# Altium PCB Mainboard_V1.0.PcbDoc (part 1 of 4) (continued)
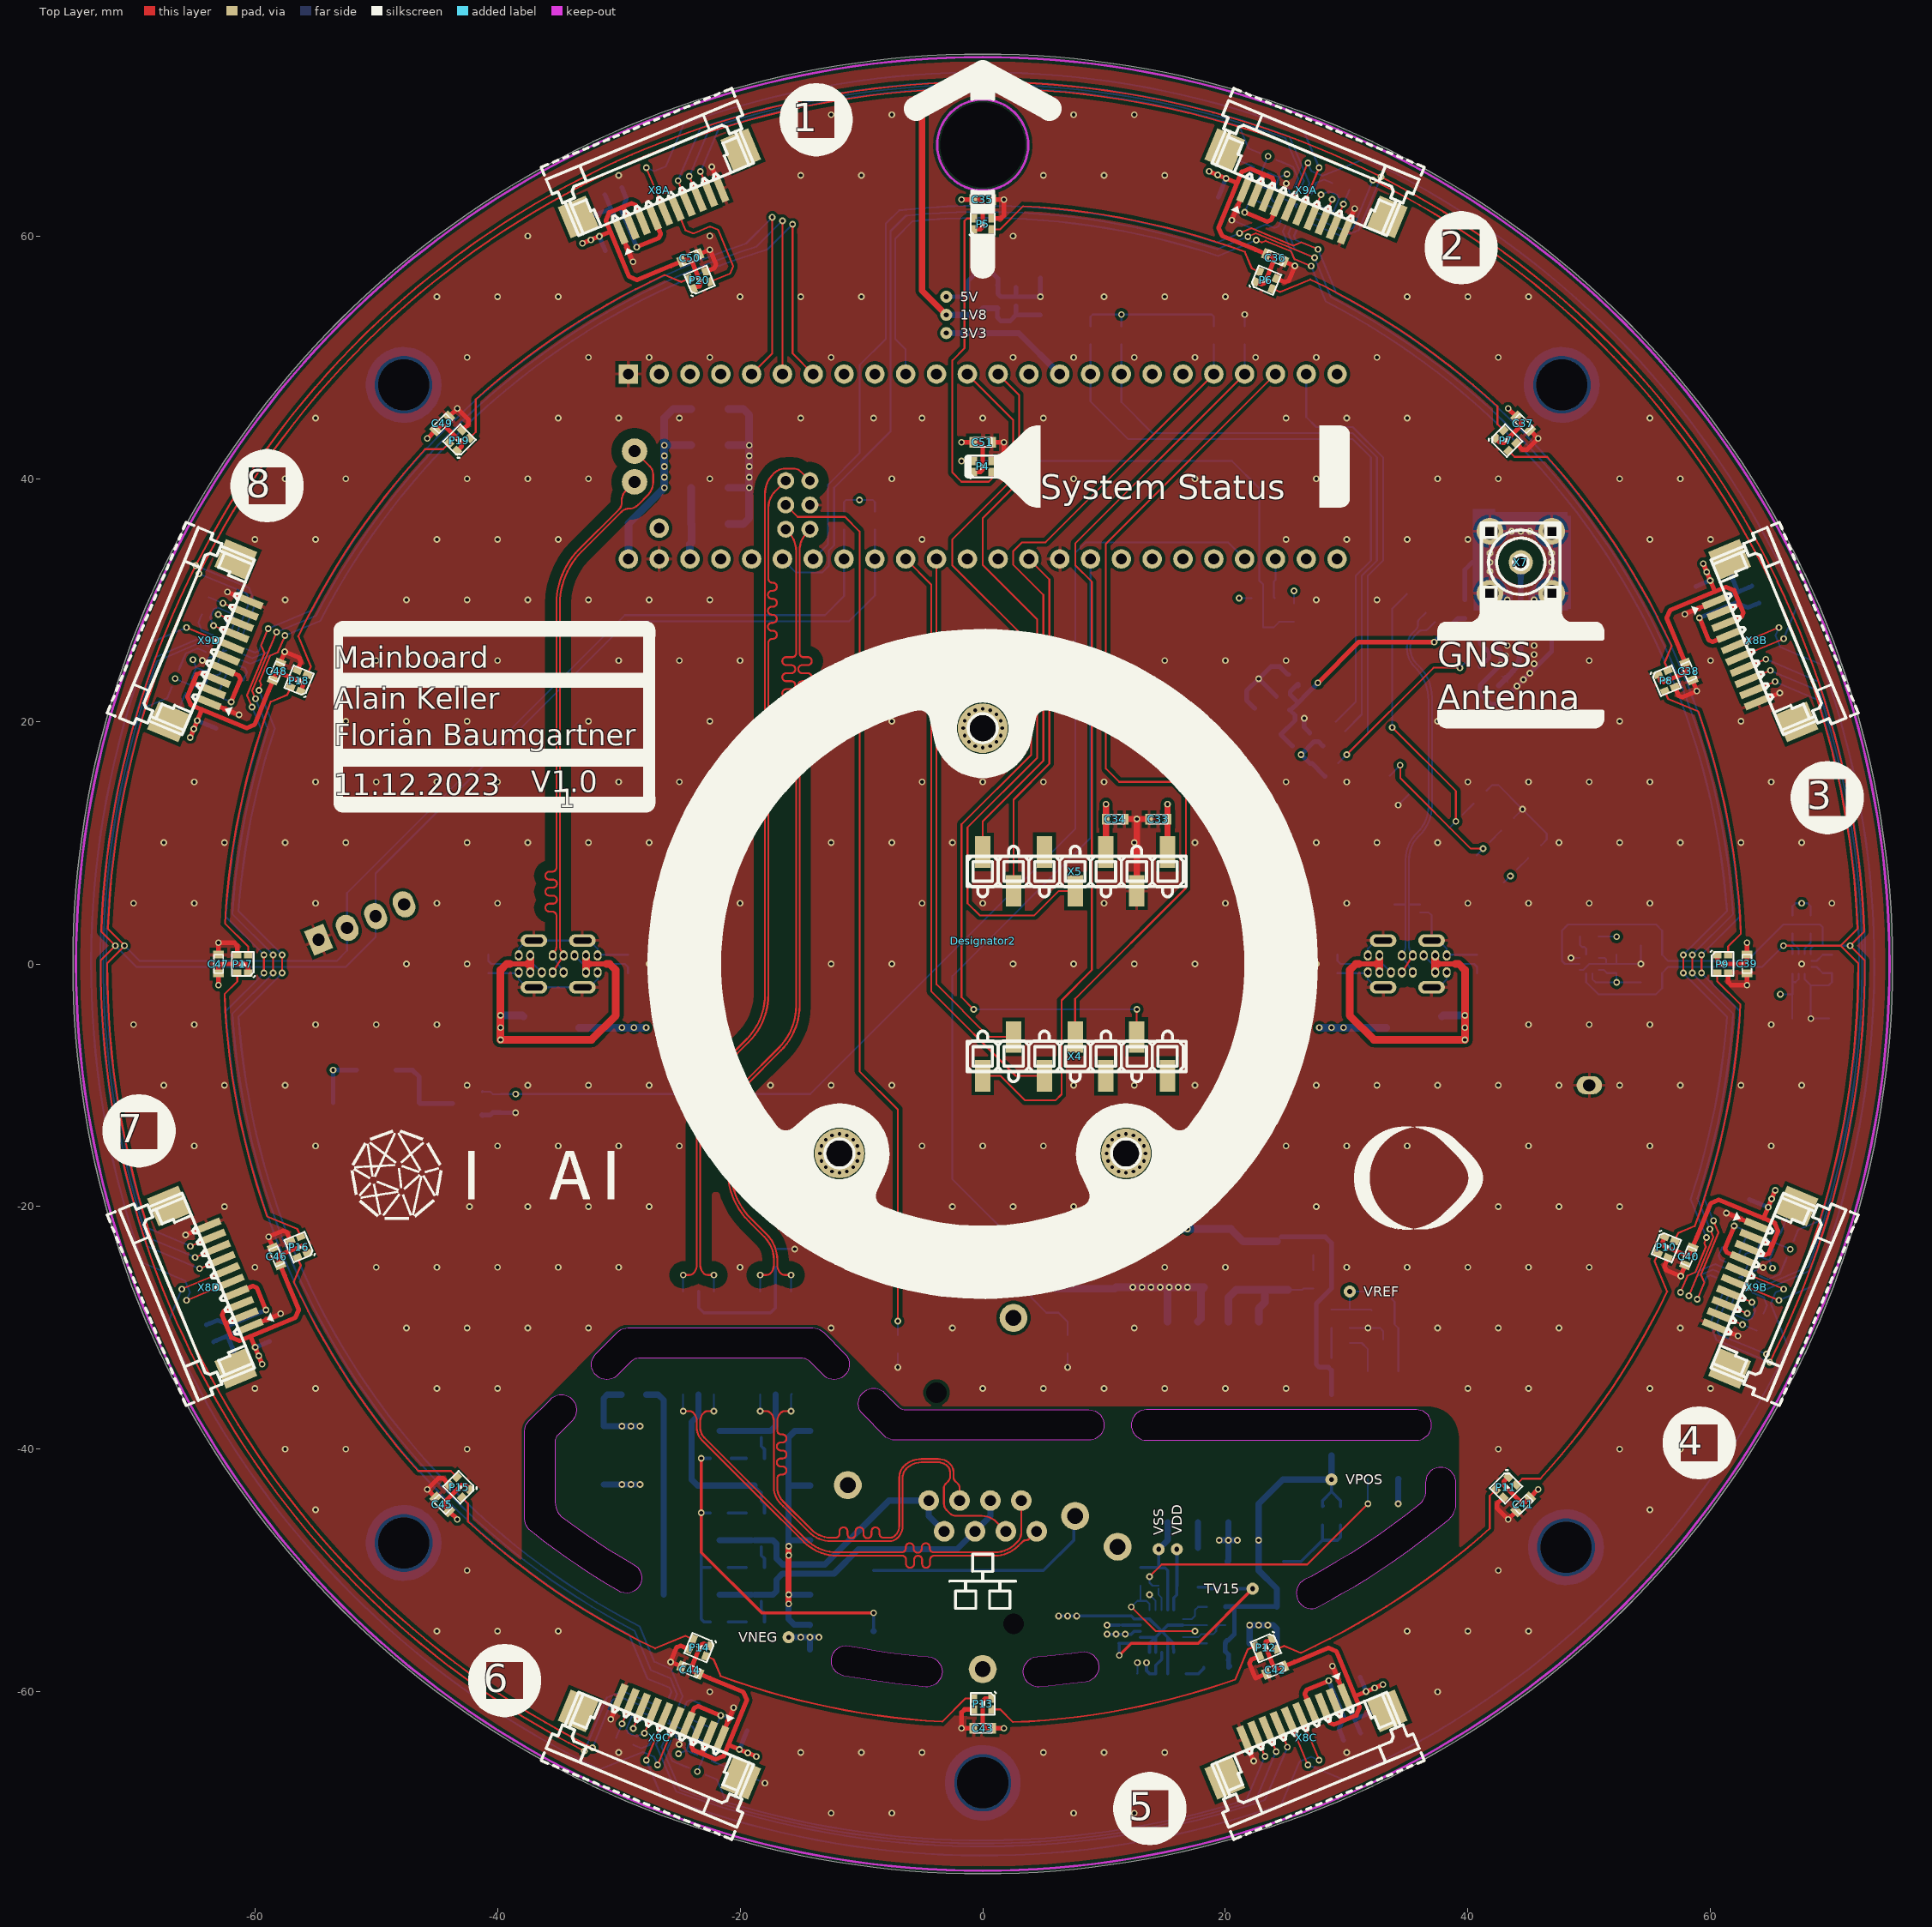
[diagram p0: Top Layer view]
## Components (designator, comment, footprint, x,y, rotation, side; value= is the part's Value field where it differs from the comment) (continued)
X9C "AFA07-S10FCC-00" "SMD Connector (AFA07-S10FCC-00)" -28.128,-67.903 r337.5 top locked (schematic designator X9)
X9D "AFA07-S10FCC-00" "SMD Connector (AFA07-S10FCC-00)" -67.905,28.127 r247.5 top locked (schematic designator X9)

## Footprints (in the part's own frame and the unit in brackets; to place one, negate y for a bottom-side part, rotate by r counter-clockwise, add the part's x,y. Pads: shape width x height; smd on the part's side, far side on the other; paste and mask are expansions set on the pad)
"MEC Display Module (Seeed Studio 105481)" [mm]
  round 4.1 hole 2.3: NC(-11.811,-15.621) NC(0,19.431) NC(11.811,-15.621)
  silkscreen extent -27.5,-27.5 27.5,27.5, body extent -27.49,-27.5 27.49,27.5, height 15.7
"SMD Buzzer (MLT-8530)" [mm] "SMD_LED_RED"
  rect 2.3x2.3 smd: 1(-3.55,3.55) 2(-3.55,-3.55) NC(3.55,-3.55) NC(3.55,3.55)
  silkscreen extent -5,-4.25 4.25,5, body extent -4.25,-4.25 4.25,4.25, height 3
"SMD Connector (AFA07-S10FCC-00)" [mm] "SMD_LED_RED"
  rect 0.6x2.2 smd: 1(4.5,6.25) 2(3.5,6.25) 3(2.5,6.25) 4(1.5,6.25) 5(0.5,6.25) 6(-0.5,6.25) 7(-1.5,6.25) 8(-2.5,6.25) 9(-3.5,6.25) 10(-4.5,6.25)
  rect 2.5x2.8 smd: NC(-7.25,3.85) NC(7.25,3.85)
  silkscreen extent -8.5,-1.1 8.5,8.25, body extent -8.5,0 8.5,6.75, height 2.57
"SMD Diode DO-214-AC" [mm] "SM LED; 2 Flat Leads"
  rect 2x1.8 smd: A(2.3,0) K(-2.3,0)
  silkscreen extent -2.3,-1.36 2.3,1.27, body extent -2.8,-1.47 2.8,1.48, height 2.7
"SMD Diode PowerDI-5" [mm] "SM LED; 2 Flat Leads"
  rect 1.4x1.39 smd: A(-2.862,-0.92) A(-2.862,0.92)
  rect 4.86x3.36 smd: K(1.12,0)
  silkscreen extent -2.65,-2.03 2.7,2.02, body extent -3.27,-2.02 3.33,2.03, height 1.17
"SMD Diode SOD-123" [mm] "SM LED; 2 Flat Leads"
  rect 1x1.2 smd: A(1.62,0) K(-1.62,0)
  silkscreen extent -1.4,-0.9 1.4,0.88, body extent -1.93,-0.85 1.92,0.85, height 1.42
"SMD Elko 6.3x7.7" [mm]
  rect 3.2x1.2 smd: M(2.4,0) P(-2.4,0)
  silkscreen extent -3.7,-3.5 3.3,3.3, body extent -3.5,-3.3 3.5,3.3, height 7.7
"SMD IC DIP-4" [mm] "SOIC, 20-Leads, Body 12.8x7.5mm, Pitch 1.27mm, IPC Low Density"
  oval 2.8x1.6 smd: 1(-4.445,1.27) 2(-4.445,-1.27) 3(4.445,-1.27) 4(4.445,1.27)
  silkscreen extent -3.3,-2.29 3.3,2.29, body extent -5,-2.29 5,2.29, height 3.85
"SMD IC LGA-10" [mm] "QFN, 48-Leads, Body 7x7mm, Pitch 0.5mm, IPC Medium Density"
  rect 0.25x0.35 smd: 1(0.25,0.8) 2(-0.25,0.8) 6(-0.25,-0.8) 7(0.25,-0.8)
  rect 0.35x0.25 smd: 3(-0.8,0.5) 4(-0.8,0) 5(-0.8,-0.5) 8(0.8,-0.5) 9(0.8,0) 10(0.8,0.5)
  silkscreen extent -1,-1 1.32,1.32, body extent -1,-1 1,1, height 0.75
"SMD IC LGA-12" [mm] "QFN, 48-Leads, Body 7x7mm, Pitch 0.5mm, IPC Medium Density"
  rect 0.38x0.25 smd: 1(-0.81,0.75) 2(-0.81,0.25) 3(-0.81,-0.25) 4(-0.81,-0.75) 7(0.81,-0.75) 8(0.81,-0.25) 9(0.81,0.25) 10(0.81,0.75)
  rect 0.25x0.38 smd: 5(-0.25,-0.81) 6(0.25,-0.81) 11(0.25,0.81) 12(-0.25,0.81)
  silkscreen extent -1.32,-1 1,1.32, body extent -1,-1 1,1, height 0.96
"SMD IC QFN-16" [mm] "QFN, 48-Leads, Body 7x7mm, Pitch 0.5mm, IPC Medium Density"
  oval 0.75x0.25 smd: 1(-1.5,0.75) 2(-1.5,0.25) 3(-1.5,-0.25) 4(-1.5,-0.75) 9(1.5,-0.75) 10(1.5,-0.25) 11(1.5,0.25) 12(1.5,0.75)
  oval 0.25x0.75 smd: 5(-0.75,-1.5) 6(-0.25,-1.5) 7(0.25,-1.5) 8(0.75,-1.5) 13(0.75,1.5) 14(0.25,1.5) 15(-0.25,1.5) 16(-0.75,1.5)
  rect 1.65x1.65 smd: PAD(0,0)
  silkscreen extent -1.72,-1.5 1.5,1.72, body extent -1.52,-1.52 1.52,1.52, height 0.9
"SMD IC QFN-20" [mm] "QFN, 48-Leads, Body 7x7mm, Pitch 0.5mm, IPC Medium Density"
  oval 0.75x0.25 smd: 1(-1.75,1) 2(-1.75,0.5) 3(-1.75,0) 4(-1.75,-0.5) 5(-1.75,-1) 11(1.75,-1) 12(1.75,-0.5) 13(1.75,0) 14(1.75,0.5) 15(1.75,1)
  oval 0.25x0.75 smd: 6(-1,-1.75) 7(-0.5,-1.75) 8(0,-1.75) 9(0.5,-1.75) 10(1,-1.75) 16(1,1.75) 17(0.5,1.75) 18(0,1.75) 19(-0.5,1.75) 20(-1,1.75)
  rect 2.45x2.45 smd: PAD(0,0)
  silkscreen extent -2.22,-2 2,2.22, body extent -2.01,-2.01 2.01,2.01, height 0.78
"SMD IC SOT-23-3" [mm]
  rect 1x0.7 smd: 1(-1.2,0.95) 2(-1.2,-0.95) 3(1.2,0)
  silkscreen extent -0.8,-1.5 0.8,1.5, body extent -1.3,-1.5 1.2,1.5, height 1.1
"SMD IC SOT-363 (SC-70-6)" [mm]
  rect 0.8x0.45 smd: 1(1.05,-0.65) 2(1.05,0) 3(1.05,0.65) 4(-1.05,0.65) 5(-1.05,0) 6(-1.05,-0.65)
  silkscreen extent -0.63,-1.4 0.8,1.05, body extent -1.05,-1 1.05,1, height 0.92
"SMD Inductor 0402" [mm]
  rect 0.57x0.62 smd: 1(-0.48,0) 2(0.48,0)
  silkscreen extent -0.51,-0.25 0.51,0.25, body extent -0.5,-0.25 0.5,0.25, height 0.5
"SMD INDUCTOR/FERRITE 0805" [mil]
  rect 35x65 smd: 1(-40,0) 2(40,0)
  silkscreen extent -40,-24 40,24, body extent -39,-24 39,24, height 37
"SMD Keramikkondensator 0603" [mil]
  rect 25x35 smd: 1(-30,0) 2(30,0)
  silkscreen extent -30,-15 30,15, body extent -31,-16 31,16, height 32
"SMD Keramikkondensator 0805" [mil]
  rect 45x65 smd: 1(-40,0) 2(40,0)
  silkscreen extent -40,-30 40,30, body extent -39,-25 39,25, height 31
"SMD Keramikkondensator 1206" [mil]
  rect 45x70 smd: 1(-60,0) 2(60,0)
  silkscreen extent -60,-30 60,30, body extent -63,-31 63,31, height 39
"SMD KERAMIKKONDENSATOR 1808" [mm]
  rect 1.05x2.3 smd: 1(-2.5,0) 2(2.5,0)
  silkscreen extent -2.41,-1.1 2.41,1.1, body extent -2.25,-1 2.25,1, height 1.26
"SMD LED 0603" [mm] "SMD_LED_RED"
  rect 0.8x0.8 smd: A(-0.75,0) K(0.75,0)
  silkscreen extent -0.8,-0.4 0.8,0.4, body extent -0.81,-0.37 0.84,0.36, height 0.68
"SMD LED WS2812B-0807" [mm] "SMD_LED_RED"
  rect 0.6x0.7 smd: 1(0.75,0.45) 2(-0.75,0.45) 3(-0.75,-0.45) 4(0.75,-0.45)
  silkscreen extent -1,-0.9 1.1,1, body extent -1,-0.9 1,0.9, height 0.85
"SMD MOSFET SOT-23" [mm]
  rect 1x0.7 smd: D(1.2,0) G(-1.2,0.95) S(-1.2,-0.95)
  silkscreen extent -0.8,-1.5 0.8,1.5, body extent -1.3,-1.5 1.2,1.5, height 1.1
"SMD NEO-M8P-2" [mm] "QFN, 48-Leads, Body 7x7mm, Pitch 0.5mm, IPC Medium Density"
  rect 1.4x0.825 smd: 1(-5.8,7) 2(-5.8,5.9) 3(-5.8,4.8) 4(-5.8,3.7) 5(-5.8,2.6) 6(-5.8,1.5) 7(-5.8,0.4) 8(-5.8,-2.6) 9(-5.8,-3.7) 10(-5.8,-4.8) 11(-5.8,-5.9) 12(-5.8,-7) 13(5.8,-7) 14(5.8,-5.9) 15(5.8,-4.8) 16(5.8,-3.7) 17(5.8,-2.6) 18(5.8,0.4) 19(5.8,1.5) 20(5.8,2.6) 21(5.8,3.7) 22(5.8,4.8) 23(5.8,5.9) 24(5.8,7)
  silkscreen extent -6.43,-8 6.1,8.43, body extent -6.1,-8 6.1,8, height 2.6
"SMD PIN-HEADER 1X7" [mm]
  rect 1.27x2.6 smd: 1(-7.62,1.6) 2(-5.08,-1.6) 3(-2.54,1.6) 4(0,-1.6) 5(2.54,1.6) 6(5.08,-1.6) 7(7.62,1.6)
  silkscreen extent -8.89,-1.27 8.89,1.27, body extent -8.89,-2.54 8.89,2.54, height 10.16
"SMD Solder-Nut (M3 4mm)" [mm]
  round 0 hole 4.22: 1(0,0)
  Top Layer circle w1.02: c0,0 r2.61
  body extent -2.61,-2.61 2.61,2.61, height 4
"SMD Tantalkondensator 1210 +" [mil]
  rect 45x110 smd: M(60,0) P(-60,0)
  silkscreen extent -99,-50 60,72, body extent -73,-58 73,58, height 80
"SMD Transformer 500x375" [mm]
  rect 0.76x1.65 smd: 1(-4.445,-4.255) 2(-3.175,-4.255) 3(-1.905,-4.255) 4(-0.635,-4.255) 5(0.635,-4.255) 6(1.905,-4.255) 7(3.175,-4.255) 8(4.445,-4.255) 9(4.445,4.255) 10(3.175,4.255) 11(1.905,4.255) 12(0.635,4.255) 13(-0.635,4.255) 14(-1.905,4.255) 15(-3.175,4.255) 16(-4.445,4.255)
  silkscreen extent -6.41,-5.79 6.42,3.62, body extent -6.35,-4.76 6.35,4.76, height 6.1
"SMD Transformer 749119950" [mm]
  rect 1.27x1.55 smd: 1(-5,8.275) 2(-2.5,8.275) 3(0,8.275) 4(2.5,8.275) 5(5,8.275) 6(5,-8.275) 7(2.5,-8.275) 8(0,-8.275) 9(-2.5,-8.275) 10(-5,-8.275)
  silkscreen extent -6.75,-8.8 6.75,8.8, body extent -6.75,-8.88 6.75,8.87, height 12.52
"SMD Widerstand 0603" [mil]
  rect 25x35 smd: 1(-30,0) 2(30,0)
  silkscreen extent -30,-15 30,15, body extent -31,-16 31,16, height 18
"THT Buchsenleiste 4-Pol (1x4)" [mm]
  rect 1.7x2.2 hole 1: 1(-3.81,0)
  oval 1.7x2.2 hole 1: 2(-1.27,0) 3(1.27,0) 4(3.81,0)
  silkscreen extent -5.08,-1.27 5.08,1.27, body extent -5.08,-1.25 5.08,1.25, height 8.4
"THT CONNECTOR NE8FBV-C5-LED1-S" [mm]
  round 1.7 hole 0.9: 1(-4.445,-1.27) 2(-3.175,1.27) 3(-1.905,-1.27) 4(-0.635,1.27) 5(0.635,-1.27) 6(1.905,1.27) 7(3.175,-1.27) 8(4.445,1.27)
  round 2.3 hole 1.3: 9(-7.62,0) NC(-11.125,-2.54) NC(-2.54,16.325) NC(0,-12.625) NC(11.125,2.54)
  round 0 hole 1.7 unplated: NC(-2.54,-8.89) NC(3.81,10.16)
  silkscreen extent -12.75,-13.22 12.85,16.92, body extent -12.75,-13.23 12.85,16.93, height 30.85
"THT Messpunkt Ø2.54mm Schwarz" [mm]
  oval 2.1x1.5 hole 1: 1(0,0)
  silkscreen extent -1.2,-1.2 1.2,1.2, body extent -1.27,-1.27 1.27,1.27, height 4.57
"THT SMA-Connector (Vertical)" [mm]
  round 2 hole 1.35: 1(0,0)
  round 2.2 hole 1.4: 2(-2.55,-2.55) 2(-2.55,2.55) 2(2.55,-2.55) 2(2.55,2.55)
  silkscreen extent -3.25,-3.25 3.25,3.25, body extent -3.25,-3.25 3.25,3.25, height 9.85
"THT Teensy 4.1" [mm]
  rect 1.6x1.6 hole 0.9: 1(-7.62,-1.27)
  round 1.6 hole 0.9: 2(-7.62,-3.81) 3(-7.62,-6.35) 4(-7.62,-8.89) 5(-7.62,-11.43) 6(-7.62,-13.97) 7(-7.62,-16.51) 8(-7.62,-19.05) 9(-7.62,-21.59) 10(-7.62,-24.13) 11(-7.62,-26.67) 12(-7.62,-29.21) 13(-7.62,-31.75) 14(-7.62,-34.29) 15(-7.62,-36.83) 16(-7.62,-39.37) 17(-7.62,-41.91) 18(-7.62,-44.45) 19(-7.62,-46.99) 20(-7.62,-49.53) 21(-7.62,-52.07) 22(-7.62,-54.61) 23(-7.62,-57.15) 24(-7.62,-59.69) 25(7.62,-59.69) 26(7.62,-57.15) 27(7.62,-54.61) 28(7.62,-52.07) 29(7.62,-49.53) 30(7.62,-46.99) 31(7.62,-44.45) 32(7.62,-41.91) 33(7.62,-39.37) 34(7.62,-36.83) 35(7.62,-34.29) 36(7.62,-31.75) 37(7.62,-29.21) 38(7.62,-26.67) 39(7.62,-24.13) 40(7.62,-21.59) 41(7.62,-19.05) 42(7.62,-16.51) 43(7.62,-13.97) 44(7.62,-11.43) 45(7.62,-8.89) 46(7.62,-6.35) 47(7.62,-3.81) 48(7.62,-1.27) 49(5.08,-3.81)
  round 1.4 hole 0.8: 50(1.17,-16.24) 51(1.17,-14.24) 52(3.17,-16.24) 53(3.17,-14.24) 54(5.17,-16.24) 55(5.17,-14.24)
  round 2.1 hole 1: 56(-1.27,-1.78) 57(1.27,-1.78)
  silkscreen extent -8.9,-60.96 8.89,0.9, body extent -8.89,-60.96 8.89,0.93, height 19.7
"THT Testpunkt Ø1mm" [mm]
  round 1 hole 0.4: 1(0,0)
"THT USB-C Socket (KH-TYPE-C-L10-14P)" [mm]
  oval 0.65x0.85 hole 0.45: A1(-3.25,0.7) A4(-2.3,0.7) A5(-1.35,0.7) A6(-0.45,0.7) A7(0.45,0.7) A9(2.3,0.7) A12(3.25,0.7) B1(3.25,-0.7) B4(2.3,-0.7) B5(1.35,-0.7) B6(0.45,-0.7) B7(-0.45,-0.7) B9(-2.3,-0.7) B12(-3.25,-0.7)
  oval 2.2x1.05 hole 0.5 slot 1.5 at 0 deg: G1(-2,1.93) G2(2,1.93) G3(-2,-1.93) G4(2,-1.93)
  silkscreen extent -4.5,-2.1 4.5,2.1, body extent -4.47,-2.08 4.47,2.08, height 10

## Part data
C1 C2 C8 C24 C29 C31 C52 C55 C57A C57B C57C C57D C58A C58B C58C C58D: library part "E6 - 100nF", "SMD Ceramic Capacitor E6", Component Value="100nF 50V", JLC-Parts=C14663, ComponentLink1Description=Datasheet, ComponentLink1URL=https://datasheet.lcsc.com/lcsc/1809301912_YAGEO-CC0603KRX7R9BB104_C14663.pdf, Unit Price=0.01
  C1 C2: Component Description="Multilayer Ceramic Capacitors MLCC", Digikey=445-6899-1-ND, Farnell=2210822, Mouser=810-CGA2B3X7R1H104K
  C8 C24 C29 C31 C52 C55 C57A C57B C57C C57D C58A C58B C58C C58D: Component Description="Multilayer Ceramic Capacitors", Digikey=445-5666-1-ND, Farnell=2522432, Mouser=77-VJ0603V104ZXAPBC
C3 C5 C7 C18 C28 C30 C53 C60A C60B C60C C60D C62A C62B C62C C62D: library part "E6 - 10uF", "SMD Ceramic Capacitor E6", Component Value="10µF 50V", JLC-Parts=C13585, Component Description="Multilayer Ceramic Capacitors MLCC", ComponentLink1Description=Datasheet, ComponentLink1URL=https://datasheet.lcsc.com/lcsc/1810191219_Samsung-Electro-Mechanics-CL10A106KP8NNNC_C19702.pdf, Digikey=587-3258-1-ND, Farnell=2113070, Mouser=963-LMK107BBJ106MALT, Unit Price=0.01
C4 C6: library part C-ELCAP, "CAP-Elko", Component Value="100µF 6.3V", JLC-Parts=C16133, Component Description="Tantalum Capacitor", Digikey=478-1677-1-ND, Farnell=1135048, Mouser=581-TAJB107K006R, Unit Price=0.08
C9 C27: library part "E6 - 1nF", "SMD Ceramic Capacitor E6", Component Value="1nF 3kV", JLC-Parts=C173224, Component Description="Multilayer Ceramic Capacitors MLCC", ComponentLink1Description=Datasheet, ComponentLink1URL=https://datasheet.lcsc.com/lcsc/1912111437_Johanson-Dielectrics-302R29W102KV4E_C173224.pdf, Digikey=709-1047-1-ND, Farnell=1886070, Mouser=605-302R29W102KV4E, Unit Price=0.06
C10: library part C-ELCAP, "CAP-Elko", Component Value="22µF 100V", JLC-Parts=C5456761, Component Description="Electrolytic Capacitor", Unit Price=0.06
C11 C12: library part C-CAPACITOR, "CAP-MK", Component Value="1µF 100V", JLC-Parts=C13832, Component Description="Multilayer Ceramic Capacitors", Digikey=720-VJ1206Y104MXBATCT-ND, Farnell=1657939, Mouser=77-VJ1206Y104MXBAT, Unit Price=0.01
C13 C14: library part "E6 - 22nF", "SMD Ceramic Capacitor E6", Component Value="10nF 100V", JLC-Parts=C302008, Component Description="Multilayer Ceramic Capacitors MLCC", ComponentLink1Description=Datasheet, ComponentLink1URL=https://datasheet.lcsc.com/lcsc/1811101610_Samsung-Electro-Mechanics-CL10B223KB8NNNC_C21122.pdf, Digikey=490-4781-1-ND, Farnell=2470432, Mouser=81-GCM188R72A103KA7D, Unit Price=0.01
C15 C26: library part C-CAPACITOR, "CAP-MK", Component Value="1.5nF 50V", JLC-Parts=C1595, Component Description="Multilayer Ceramic Capacitors", Digikey=445-6920-1-ND, Farnell=2435474, Mouser=810-CGA3E2X7R1H152K, Unit Price=0.01
C16 C17: library part C-ELCAP, "CAP-Elko", Component Value="470µF 6.3V", JLC-Parts=C72520, Component Description="Electrolytic Capacitor", Unit Price=0.03
C19: library part "E6 - 22nF", "SMD Ceramic Capacitor E6", Component Value="100nF 100V", JLC-Parts=C28233, Component Description="Multilayer Ceramic Capacitors MLCC", ComponentLink1Description=Datasheet, ComponentLink1URL=https://datasheet.lcsc.com/lcsc/1811101610_Samsung-Electro-Mechanics-CL10B223KB8NNNC_C21122.pdf, Digikey=490-4789-1-ND, Farnell=2470440, Mouser=81-GCM21BR72A104KA7L, Unit Price=0.01
C20 C21 C22 C23: library part "E6 - 22nF", "SMD Ceramic Capacitor E6", Component Value="22nF 100V", JLC-Parts=C161234, Component Description="Multilayer Ceramic Capacitors MLCC", ComponentLink1Description=Datasheet, ComponentLink1URL=https://datasheet.lcsc.com/lcsc/1811101610_Samsung-Electro-Mechanics-CL10B223KB8NNNC_C21122.pdf, Digikey=490-4782-1-ND, Farnell=2494195, Mouser=81-GCM188R72A223KA7D, Unit Price=0.01
C25 C33 C34 C35 C36 C37 C38 C39 C40 C41 C42 C43 C44 C45 C46 C47 C48 C49 C50 C51 C59A C59B C59C C59D C61A C61B C61C C61D: library part C-CAPACITOR, "CAP-MK", Component Value="1µF 50V", JLC-Parts=C15849, Component Description="Multilayer Ceramic Capacitors", Digikey=1276-1860-1-ND, Farnell=3013383, Mouser=187-CL10A105KB8NNNC, Unit Price=0.01
C32: library part "E6 - 100nF", "SMD Ceramic Capacitor E6", Component Value="220nF 50V", JLC-Parts=C21120, Component Description="Multilayer Ceramic Capacitors MLCC", ComponentLink1Description=Datasheet, ComponentLink1URL=https://datasheet.lcsc.com/lcsc/1809301912_YAGEO-CC0603KRX7R9BB104_C14663.pdf, Digikey=445-173612-1-ND, Farnell=3416121, Mouser=810-C1608X7R1H224KAE, Unit Price=0.01
C54: library part "E6 - 1uF", "SMD Ceramic Capacitor E6", Component Value="1µF 50V", JLC-Parts=C15849, Component Description="Multilayer Ceramic Capacitors MLCC", ComponentLink1Description=Datasheet, ComponentLink1URL=https://datasheet.lcsc.com/lcsc/1810261812_Samsung-Electro-Mechanics-CL10A105KB8NNNC_C15849.pdf, Digikey=1276-1860-1-ND, Farnell=3013383, Mouser=187-CL10A105KB8NNNC, Unit Price=0.01
C56: library part C-CAPACITOR, "CAP-MK", Component Value="47pF 50V", JLC-Parts=C1671, Component Description="Multilayer Ceramic Capacitors", Digikey=399-C0603C470J5GAC7867CT-ND, Farnell=1414639, Mouser=80-C0603C470J5G, Unit Price=0.01
D1 D2 D15: library part R-DIODE:SCHKY, "Trench Schottky Barrier Rectifier", Component Value=SDT10A45P5-13, JLC-Parts=C2997843, Component Description="Trench Schottky Barrier Rectifier", ComponentLink1Description=Datasheet, ComponentLink1URL=https://www.diodes.com/assets/Datasheets/SDT10A45P5.pdf, Digikey=31-SDT10A45P5-13CT-ND, Farnell=3944970, Mouser=621-SDT10A45P5-13, Unit Price=0.19
D3 D4 D5 D6 D7 D9 D10 D11 D12: library part R-DIODE, "DIODE (alt V)", JLC-Parts=C156295, Component Description="General Purpose Rectifier Diode", Component Value=S1B-13-F, ComponentLink1Description=Datasheet, ComponentLink1URL=https://www.diodes.com/assets/Datasheets/ds16003.pdf, Digikey=S1B-FDICT-ND, Farnell=3127425, Mouser=621-S1B-F, Unit Price=0.03
D8: library part R-DIODE, "DIODE (alt V)", Component Value=1N4148WTR, JLC-Parts=C81598, Component Description="Fast Switching Diode", ComponentLink1Description=Datasheet, ComponentLink1URL=https://datasheet.lcsc.com/lcsc/1811061725_ST-Semtech-1N4148W_C81598.pdf, Digikey=1655-1360-1-ND, Farnell=2306363, Mouser=750-1N4148W-HF, Unit Price=0.01
D13: library part D-Voltage-Refference, "Low-Voltage Adjustable Precision Shunt Regulator", Component Value=TLV431BCDBZR, JLC-Parts=C2156583, Component Description="Low-Voltage Adjustable Precision Shunt Regulator", ComponentLink1Description=Datasheet, ComponentLink1URL=https://www.ti.com/general/docs/suppproductinfo.tsp?distId=10&gotoUrl=https%3A%2F%2Fwww.ti.com%2Flit%2Fgpn%2Ftlv431a, Digikey=296-17569-1-ND, Mouser=595-TLV431BCDBZR, Unit Price=0.59
D14: library part R-DIODE:SCHKY, "S-DIODE", JLC-Parts=C8598, Component Description="Low Voltage Schottky-Diode", Component Value=B5819W, Digikey=B5819W-TPMSCT-ND, Farnell=2306459, Mouser=833-B5819W-TP, Unit Price=0.03
D16: library part PD4E1U06DCKR, "Unidirectional 3A (8/20us) 15V (Typ) 6.5V 5.5V (Max) SOT-363 ESD Protection Devices ROHS", JLC-Parts=C194628, Component Description="ESD Suppressor", Component Value=PD4E1U06, ComponentLink1Description=Datasheet, ComponentLink1URL=https://datasheet.lcsc.com/lcsc/1810172210_Texas-Instruments-TPD4E1U06DCKR_C194628.pdf, Digikey=296-39347-1-ND, Farnell=3116516, Mouser=595-TPD4E1U06DCKR, Unit Price=0.12
K1: library part K-FOD817ASD, "Phototransistor Optocoupler", JLC-Parts=C241830, Component Description="Phototransistor Optocoupler", Component Value=FOD817ASD, ComponentLink1Description=Datasheet, ComponentLink1URL=https://rocelec.widen.net/view/pdf/yhg4flovvn/ONSM-S-A0003163276-1.pdf?t.download=true&u=5oefqw, Digikey=FOD817ASDDKR-ND, Farnell=2322515, Mouser=512-FOD817ASD, Unit Price=0.25
K2: library part K-FET:NIGE, "MOSFET N-Channel", JLC-Parts=C20917, Component Description="MOSFET N-Channel", Component Value=AO3400A, ComponentLink1Description=Datasheet, ComponentLink1URL=http://www.aosmd.com/pdfs/datasheet/AO3400A.pdf, Digikey=785-1000-1-ND, Unit Price=0.20
K3: library part K-FET:NIGE, "MOSFET N-Channel", JLC-Parts=C8545, Component Description="MOSFET N-Channel", Component Value=2N7002, ComponentLink1Description=Datasheet, ComponentLink1URL=https://datasheet.lcsc.com/lcsc/1810151612_Jiangsu-Changjing-Electronics-Technology-Co---Ltd--2N7002_C8545.pdf, Digikey=2N7002NCT-ND, Farnell=1713823, Mouser=512-2N7002, Unit Price=0.02
L1 L2 L3: library part "R-COIL (HF)", "COIL (Spule alt L)", Component Value="CBM201209U601T (600 Ohm@100MHz, 2000mA)", JLC-Parts=C139168, Component Description="Ferrite Bead", ComponentLink1Description=Datasheet, ComponentLink1URL=https://datasheet.lcsc.com/lcsc/2304140030_FH--Guangdong-Fenghua-Advanced-Tech-CBM201209U601T_C139168.pdf, Digikey=1934-1487-1-ND, Farnell=1838838, Mouser=623-2508056017Y2, Unit Price=0.01
L4: library part "R-COIL (HF)", "Chip Inductor", JLC-Parts=C12669, Component Description="Chip Inductor", Component Value=27nH, Digikey=490-2628-1-ND, Farnell=1404304, Mouser=81-LQG15HS27NJ02D, Unit Price=0.01
M1 M2 M3 M4 M5: library part M-Spacer_M3_3mm, "Solderable Standoff Nut", Component Value="M3 4mm", JLC-Parts=C2915635, Component Description="Solderable Standoff Nut", ComponentLink1Description=Datasheet, ComponentLink1URL=https://datasheet.lcsc.com/lcsc/2111221230_Sinhoo-SMTSO3040CTJ_C2915635.pdf, Mouser=153-SMTSO-M3-4ET, Unit Price=0.06
P1: library part P-LED, "LED (als Lampe E / alt H)", Component Value="Green (5mA, 2.4V)", JLC-Parts=C72043, Component Description="General Purpose LED", ComponentLink1Description=Datasheet, ComponentLink1URL=https://datasheet.lcsc.com/szlcsc/Everlight-Elec-19-217-GHC-YR1S2-3T_C72043.pdf, Digikey=350-2035-1-ND, Farnell=1465991, Mouser=645-598-8070-107F, Unit Price=0.34
P2 P22: library part P-LED, "LED (als Lampe E / alt H)", Component Value="Yellow (5mA, 2.1V)", JLC-Parts=C72038, Component Description="General Purpose LED", ComponentLink1Description=Datasheet, ComponentLink1URL=https://datasheet.lcsc.com/szlcsc/Everlight-Elec-19-213-Y2C-CQ2R2L-3T-CY_C72038.pdf, Digikey=350-2033-1-ND, Farnell=1867103, Mouser=645-598-8050-107F, Unit Price=0.34
P3: library part "LED Green 0603", "General Purpose LED", Component Value="Green (5mA, 2.4V)", JLC-Parts=C72043, Component Description="General Purpose LED", ComponentLink1Description=Datasheet, ComponentLink1URL=https://datasheet.lcsc.com/szlcsc/Everlight-Elec-19-217-GHC-YR1S2-3T_C72043.pdf, Digikey=350-2035-1-ND, Farnell=1465991, Mouser=645-598-8070-107F, Unit Price=0.34
P4 P5 P6 P7 P8 P9 P10 P11 P12 P13 P14 P15 P16 P17 P18 P19 P20: library part P-WS2812B-0807, "Smart RGB-LED", Component Value=XL-0807RGBC-WS2812B, JLC-Parts=C3646929, aliExpress=1005003999865721, Component Description="Smart RGB-LED", ComponentLink1Description=Datasheet, ComponentLink1URL=https://datasheet.lcsc.com/lcsc/2108251530_OPSCO-Optoelectronics-SK6812D-EC3210R_C2890041.pdf, Unit Price=0.07
P21: library part P-LED, "LED (als Lampe E / alt H)", Component Value="Red (5mA, 2.0V)", JLC-Parts=C2286, Component Description="General Purpose LED", ComponentLink1Description=Datasheet, ComponentLink1URL=https://datasheet.lcsc.com/szlcsc/Hubei-KENTO-Elec-KT-0603R_C2286.pdf, Digikey=350-2029-1-ND, Farnell=1465988, Mouser=645-598-8010-107F, Unit Price=0.34
Q1: library part Q-Buzzer, "Electromagnetic Buzzer", JLC-Parts=C94599, Component Description="Electromagnetic Buzzer", Component Value=MLT-8530, ComponentLink1Description=Datasheet, ComponentLink1URL=https://datasheet.lcsc.com/lcsc/1811151451_Jiangsu-Huaneng-Elec-MLT-8530_C94599.pdf, Digikey=458-1052-ND, Farnell=1801084, Mouser=539-AST200Q, Unit Price=0.27
R1 R2: library part R-RESISTOR, "RES (E=Heizwiderstand B=Messwandler)", Component Value="47k (75V, 100mW, 1%)", JLC-Parts=C25819, Component Description="Thick Film Chip Resistor", Digikey=P47.0KHCT-ND, Farnell=2303213, Mouser=667-ERJ-3EKF4702V, Unit Price=0.01
R3 R4 R24 R25 R34 R35 R39 R40: library part R-RESISTOR, "RES (E=Heizwiderstand B=Messwandler)", Component Value="5.1k (75V, 100mW, 1%)", JLC-Parts=C23186, Component Description="Thick Film Chip Resistor", Digikey=P5.10KHCT-ND, Farnell=2059378, Mouser=667-ERJ-3EKF5101V, Unit Price=0.01
R5: library part R-RESISTOR, "SMD-Widerstand 1/4W", Component Value="270 (75V, 100mW, 1%)", JLC-Parts=C22966, Component Description="Thick Film Chip Resistor", Digikey=P270HCT-ND, Farnell=2303096, Mouser=667-ERJ-3EKF2700V, Unit Price=0.06
R6: library part R-RESISTOR, "RES (E=Heizwiderstand B=Messwandler)", Component Value="82k (75V, 100mW, 1%)", JLC-Parts=C23254, Component Description="Thick Film Chip Resistor", ComponentLink1Description=Datasheet, ComponentLink1URL=https://datasheet.lcsc.com/lcsc/1810200710_UNI-ROYAL-Uniroyal-Elec-0603WAF4701T5E_C23162.pdf, Digikey=P82.0KHCT-ND, Farnell=2303225, Mouser=667-ERJ-3EKF8202V, Unit Price=0.01
R7: library part R-RESISTOR, "RES (E=Heizwiderstand B=Messwandler)", Component Value="8.2 (75V, 100mW, 1%)", JLC-Parts=C322222, Component Description="Thick Film Chip Resistor", Digikey=P8.2AJCT-ND, Farnell=1717784, Mouser=667-ERJ-3RQF8R2V, Unit Price=0.01
R8 R30 R36 R37: library part R-RESISTOR, "RES (E=Heizwiderstand B=Messwandler)", Component Value="1k (75V, 100mW, 1%)", JLC-Parts=C21190, Component Description="Dickschicht Chipwiderstand", Digikey=P1.00KHCT-ND, Farnell=2303145, Mouser=667-ERJ-3EKF1001V, Unit Price=0.01
R9: library part R-RESISTOR, "RES (E=Heizwiderstand B=Messwandler)", Component Value="88.7k (75V, 100mW, 1%)", JLC-Parts=C23258, Component Description="Thick Film Chip Resistor", ComponentLink1Description=Datasheet, ComponentLink1URL=https://datasheet.lcsc.com/lcsc/1810200710_UNI-ROYAL-Uniroyal-Elec-0603WAF4701T5E_C23162.pdf, Digikey=P88.7KHCT-ND, Farnell=2059491, Mouser=667-ERJ-3EKF8872V, Unit Price=0.01
R10: library part R-RESISTOR, "RES (E=Heizwiderstand B=Messwandler)", Component Value="24.3k (75V, 100mW, 1%)", JLC-Parts=C276290, Component Description="Thick Film Chip Resistor", ComponentLink1Description=Datasheet, ComponentLink1URL=https://datasheet.lcsc.com/lcsc/1810200710_UNI-ROYAL-Uniroyal-Elec-0603WAF4701T5E_C23162.pdf, Digikey=P24.3KHCT-ND, Farnell=2059442, Mouser=667-ERJ-3EKF2432V, Unit Price=0.01
R11 R12 R33 R41A R41B R41C R41D R42A R42B R42C R42D: library part R-RESISTOR, "RES (E=Heizwiderstand B=Messwandler)", Component Value="10 (75V, 100mW, 1%)", JLC-Parts=C22859, Component Description="Thick Film Chip Resistor", Digikey=P10.0HCT-ND, Farnell=2302958, Mouser=667-ERJ-3EKF10R0V, Unit Price=0.01
R13: library part R-RESISTOR, "RES (E=Heizwiderstand B=Messwandler)", Component Value="4.7k (75V, 100mW, 1%)", JLC-Parts=2303181, Component Description="Thick Film Chip Resistor", Digikey=P4.70KHCT-ND, Farnell=2059378, Mouser=667-ERJ-3EKF4701V, Unit Price=0.01
R14: library part R-RESISTOR, "RES (E=Heizwiderstand B=Messwandler)", Component Value="36.5k (75V, 100mW, 1%)", JLC-Parts=C403185, Component Description="Thick Film Chip Resistor", ComponentLink1Description=Datasheet, ComponentLink1URL=https://datasheet.lcsc.com/lcsc/1810200710_UNI-ROYAL-Uniroyal-Elec-0603WAF4701T5E_C23162.pdf, Digikey=P36.5KHCT-ND, Farnell=2059461, Mouser=667-ERJ-3EKF3652V, Unit Price=0.01
R15: library part R-RESISTOR, "RES (E=Heizwiderstand B=Messwandler)", Component Value="750 (75V, 100mW, 1%)", JLC-Parts=C23241, Component Description="Thick Film Chip Resistor", ComponentLink1Description=Datasheet, ComponentLink1URL=https://datasheet.lcsc.com/lcsc/1810200710_UNI-ROYAL-Uniroyal-Elec-0603WAF4701T5E_C23162.pdf, Digikey=P750HCT-ND, Farnell=2059323, Mouser=667-ERJ-3EKF7500V, Unit Price=0.01
R16 R17 R18 R19: library part R-RESISTOR, "RES (E=Heizwiderstand B=Messwandler)", Component Value="75 (75V, 100mW, 1%)", JLC-Parts=C4275, Component Description="Thick Film Chip Resistor", ComponentLink1Description=Datasheet, ComponentLink1URL=https://datasheet.lcsc.com/lcsc/1810200710_UNI-ROYAL-Uniroyal-Elec-0603WAF4701T5E_C23162.pdf, Digikey=P75.0HCT-ND, Farnell=2059282, Mouser=667-ERJ-3EKF75R0V, Unit Price=0.01
R20: library part R-RESISTOR, "RES (E=Heizwiderstand B=Messwandler)", Component Value="3 (75V, 100mW, 1%)", JLC-Parts=C23157, Component Description="Thick Film Chip Resistor", ComponentLink1Description=Datasheet, ComponentLink1URL=https://datasheet.lcsc.com/lcsc/2206010116_UNI-ROYAL-Uniroyal-Elec-0603WAF300KT5E_C23157.pdf, Digikey=541-3.00SCT-ND, Farnell=3546376, Mouser=71-CRCW06033R00FKEAH, Unit Price=0.01
R21: library part R-RESISTOR, "RES (E=Heizwiderstand B=Messwandler)", Component Value="48.7 (75V, 100mW, 1%)", JLC-Parts=C2692820, Component Description="Thick Film Chip Resistor", ComponentLink1Description=Datasheet, ComponentLink1URL=https://datasheet.lcsc.com/lcsc/1810200710_UNI-ROYAL-Uniroyal-Elec-0603WAF4701T5E_C23162.pdf, Digikey=P48.7HCT-ND, Farnell=2303031, Mouser=667-ERJ-3EKF48R7V, Unit Price=0.01
R22: library part R-RESISTOR, "RES (E=Heizwiderstand B=Messwandler)", Component Value="0.62 (75V, 100mW, 1%)", JLC-Parts=C175661, Component Description="Thick Film Chip Resistor", ComponentLink1Description=Datasheet, ComponentLink1URL=https://www.farnell.com/datasheets/3046086.pdf, Digikey=311-.62QCT-ND, Farnell=3923404, Mouser=603-RL0603FR-070R62L, Unit Price=0.01
R23: library part R-RESISTOR, "RES (E=Heizwiderstand B=Messwandler)", Component Value="12.1k (75V, 100mW, 1%)", JLC-Parts=C22864, Component Description="Thick Film Chip Resistor", ComponentLink1Description=Datasheet, ComponentLink1URL=https://datasheet.lcsc.com/lcsc/1810200710_UNI-ROYAL-Uniroyal-Elec-0603WAF4701T5E_C23162.pdf, Digikey=P12.1KHCT-ND, Farnell=2059413, Mouser=667-ERJ-3EKF1212V, Unit Price=0.01
R26 R27 R28 R29 R31 R32 R38: library part R-RESISTOR, "RES (E=Heizwiderstand B=Messwandler)", Component Value="10k (75V, 100mW, 1%)", JLC-Parts=C25804, Component Description="Thick Film Chip Resistor", Digikey=P10.0KHCT-ND, Farnell=2303192, Mouser=667-ERJ-3EKF1002V, Unit Price=0.01
T1: library part T-B1608S, "LAN 10/100 Base-T Pulse Transformer with PoE", JLC-Parts=C507596, Component Description="LAN 10/100 Base-T Pulse Transformer with PoE", Component Value=B1608S, ComponentLink1Description=Datasheet, ComponentLink1URL=https://mm.digikey.com/Volume0/opasdata/d220001/medias/docus/696/SM13126PEL.pdf, Digikey=SM13126PELCT-ND, Farnell=3225384, Mouser=652-SM13126PEL, Unit Price=0.24
T2: library part T-Transformer_749119950, "PoE Power Transformer", Component Value="749119950 (5V)", Component Description="PoE Power Transformer", ComponentLink1Description=Datasheet, ComponentLink1URL=https://www.we-online.com/components/products/datasheet/749119950.pdf, Digikey=732-2432-1-ND, Mouser=710-749119950, Unit Price=5.42
TP1 TP2 TP3 TP5 TP6 TP7 TP8 TP9 TP10: "Testpunkt", Component Value="Ø 0.8mm", Component Description=Testpunkt, Unit Price=0.00
TP4: library part X-MP, "Messpunkt", Component Value="Ø 2.54mm (Black)", JLC-Parts=C238122, Component Description=Ground-Clip, Digikey=36-5001-ND, Farnell=2301278, Mouser=534-5001, Unit Price=0.36
U1: library part T-MCP1700T-1.8, "Voltage Regulator", Component Value="MCP1700T-1802E (1.8V, 200mA)", JLC-Parts=C150796, Component Description="Linear Voltage Regulator", ComponentLink1Description=Datasheet, ComponentLink1URL=https://datasheet.lcsc.com/lcsc/2304140030_Microchip-Tech-MCP1700T-1802E-TT_C150796.pdf, Digikey=MCP1700T1802ETTCT-ND, Farnell=1296591, Mouser=579-MCP1700T1802E/TT, Unit Price=0.37
U2: library part U-Teensy-4.1, "RT1062 i.MX ARM® Cortex®-M7 MPU", Component Description="RT1062 i.MX ARM® Cortex®-M7 MPU", Component Value="Teensy 4.1", ComponentLink1Description=Datasheet, ComponentLink1URL=https://mm.digikey.com/Volume0/opasdata/d220001/medias/docus/497/DEV-16771_Web.pdf, Digikey=1568-DEV-16771-ND, Mouser=474-DEV-16771, Unit Price=28.70
U3: library part U-SI3404-A-GMR, "IEEE 802.3 Type 1-Compliant POE PD Interface", JLC-Parts=C461934, Component Description="Low-Power Audio Codec with Headphones Driver", Component Value=SI3404-A-GMR, ComponentLink1Description=Datasheet, ComponentLink1URL=https://www.skyworksinc.com/-/media/Skyworks/SL/documents/public/data-sheets/si3404-datasheet.pdf, Digikey=863-SI3404-A-GMRDKR-ND, Farnell=3387044, Mouser=634-SI3404-A-GMR, Unit Price=1.37
U4: library part U-BMP388, "Digital Pressure Sensor", JLC-Parts=C779278, Component Description="Digital Pressure Sensor", Component Value=BMP388, ComponentLink1Description=Datasheet, ComponentLink1URL=https://www.bosch-sensortec.com/media/boschsensortec/downloads/datasheets/bst-bmp388-ds001.pdf, Digikey=828-1079-1-ND, Mouser=262-BMP388, Unit Price=2.40
U5: library part U-LSM303AGRTR, "High-Performance eCompass Module", JLC-Parts=C126671, Component Description="High-Performance eCompass Module", Component Value=LSM303AGRTR, ComponentLink1Description=Datasheet, ComponentLink1URL=https://www.st.com/content/ccc/resource/technical/document/datasheet/74/c4/19/54/62/c5/46/13/DM00177685.pdf/files/DM00177685.pdf/jcr:content/translations/en.DM00177685.pdf, Digikey=497-16527-1-ND, Farnell=2664523, Mouser=511-LSM303AGRTR, Unit Price=1.42
U6: library part U-NEO-M8P-2, "High Precision GNSS Module (GPS-RTK)", Component Description="High Precision GNSS Module (GPS-RTK)", Component Value=NEO-M8P-2, ComponentLink1Description=Datasheet, ComponentLink1URL=https://content.u-blox.com/sites/default/files/NEO-M8P_DataSheet_UBX-15016656.pdf, Digikey=672-NEO-M8P-2CT-ND, Mouser=377-NEO-M8P-2, Unit Price=134.10
U7A U7B U7C U7D: library part U-ADAU7118, "8-Channel PDM to I²S/TDM Converter", Component Value=ADAU7118ACPZRL, JLC-Parts=C654437, Component Description="8-Channel PDM to I²S/TDM Converter", ComponentLink1Description=Datasheet, ComponentLink1URL=https://www.analog.com/media/en/technical-documentation/data-sheets/ADAU7118.pdf, Digikey=505-ADAU7118ACPZRLCT-ND, Farnell=4033291, Mouser=584-ADAU7118ACPZRL, Unit Price=6.20
X1 X6: library part X-USB-Buchse_Vertical, "Type-C", Component Value=KH-TYPE-C-L10-14P, JLC-Parts=C2761226, aliExpress=1005003021508194, Component Description="USB Connector Type-C Vertical", ComponentLink1Description=Datasheet, ComponentLink1URL=https://datasheet.lcsc.com/lcsc/2103161911_Shenzhen-Kinghelm-Elec-KH-TYPE-C-L10-14P_C2761226.pdf, Unit Price=0.27
X2: library part X-NE8FBV-C5-LED1-S, "RJ45 etherCON (Cat 5e)", Component Description="RJ45 etherCON (Cat 5e)", Component Value=NE8FBV-C5-LED1-S, ComponentLink1Description=Datasheet, ComponentLink1URL=https://www.mouser.ch/datasheet/2/289/st-ne8fbv-c5-led1-s-1-1854026.pdf, Farnell=2543779, Mouser=568-NE8FBV-C5-LED1-S, Unit Price=20.67
X3: library part "X-Stiftleiste (4-Fach)", JLC-Parts=C5116530, Component Description="Female Pin Header", Component Value=SSW-104-01-F-S, ComponentLink1Description=Datasheet, ComponentLink1URL=https://datasheet.lcsc.com/lcsc/2207291800_ZHOURI-PM2-54-1-4_C5116530.pdf, Digikey=SAM10018-ND, Farnell=3550891, Mouser=200-SSW10401FS, Unit Price=0.07
X4 X5: library part "X-Stiftleiste (7-Fach)", Component Description="Pin Header SMD", Component Value=54201-G0807LF, ComponentLink1Description=Datasheet, ComponentLink1URL=https://cdn.amphenol-cs.com/media/wysiwyg/files/documentation/datasheet/boardwiretoboard/bwb_bergstik.pdf, Digikey=609-54201-G0807LF-ND, Mouser=649-54201-G0807ALF, Unit Price=1.32
X7: library part X-SMA-Connector, "SMA Connector", JLC-Parts=C496549, Component Description="SMA Connector", Component Value=BWSMA-KE-Z001, ComponentLink1Description=Datasheet, ComponentLink1URL=https://datasheet.lcsc.com/lcsc/2212281109_BAT-WIRELESS-BWSMA-KE-Z001_C496549.pdf, Digikey=SAM8971-ND, Farnell=2856821, Mouser=200-SMAJPHSTTH1, Unit Price=0.30
X8A X8B X8C X8D X9A X9B X9C X9D: library part "X-FPC-Connector (10-Pin)", "FPC-Connector (10-Pin, Slide-Lock,  Bottom Contact)", JLC-Parts=C52162, Component Description="FPC-Connector (10-Pin, Slide-Lock,  Bottom Contact)", Component Value=AFA07-S10FCC-00, ComponentLink1Description=Datasheet, ComponentLink1URL=https://datasheet.lcsc.com/lcsc/1811142212_JUSHUO-AFA07-S10FCC-00_C52162.pdf, Digikey=2073-FFC3B07-10-TCT-ND, Farnell=3873345, Mouser=640-FFC3B07-10-T, Unit Price=0.09

## Free pads (board coordinates)
  round 0 hole 7: NC(0,67.5)

## Via types
v1: diameter 0.55, hole 0.3, Top Layer to Bottom Layer, tented both sides, 652 vias
v2: diameter 0.55, hole 0.3, Top Layer to Bottom Layer, tented top, 48 vias

## Nets (pads, with @x,y where several pads share a name; then routed paths per layer and width w, separated by ;. In a path a pad name is that pad's centre, name@x,y a point inside that pad or via, vN(x,y) a via of type N, cw(c..) or ccw(c..) an arc to the next point about the centre after c; other vN are vias at no path point)
1V8: C2.2 C3.2 C58A.2 C58B.2 C58C.2 C58D.2 TP1.1 U1.2 U7A.14 U7B.14 U7C.14 U7D.14 | length 525.2
  Top Layer w0.508: v1(-5,71) -5,55.5 TP1.1@-3,53.5
  Mid-Layer 1 w0.508: v1(-66.569,23.515) -69.34,24.663 ; v1(-23.515,-66.569) -24.663,-69.34 ; v1(-5,71) -5.151,73.415 ; v1(23.515,66.569) 24.663,69.34 ; v1(66.569,-23.515) 69.34,-24.663 ; -69.34,24.663 cw(c0,0) -5.151,73.415 ; -69.34,24.663 ccw(c0,0) -24.663,-69.34 ; -24.663,-69.34 ccw(c0,0) 69.34,-24.663 ; -5.151,73.415 cw(c0,0) 24.663,69.34 ; 24.663,69.34 cw(c0,0) 69.34,-24.663
  Bottom Layer w0.152: v1(-66.569,23.515) -64.49,22.654 -64.163,22.789 -64.059,23.039 C58D.2@-63.967,23.262 -63.874,23.485 -63.781,23.713 -63.454,23.848 -63.281,23.776 ccw(c-63.223,23.917) -63.166,23.776 ; -63.165,23.777 -62.896,23.888 -62.788,24.147 U7D.14@-62.705,24.35 ; U7C.14@-24.35,-62.703 U7C.14@-24.146,-62.788 ; U7C.14@-24.147,-62.788 -23.888,-62.896 -23.777,-63.165 ; -23.776,-63.166 cw(c-23.917,-63.223) -23.776,-63.281 -23.848,-63.454 -23.713,-63.781 -23.485,-63.874 C58C.2@-23.262,-63.966 -23.039,-64.059 -22.789,-64.163 -22.654,-64.49 v1(-23.515,-66.569) ; v1(23.515,66.569) 22.654,64.49 22.789,64.163 23.039,64.059 C58A.2@23.262,63.967 23.485,63.874 23.713,63.781 23.848,63.454 23.776,63.281 ccw(c23.917,63.223) 23.776,63.166 ; 23.777,63.165 23.888,62.896 U7A.14@24.147,62.788 ; U7A.14@24.146,62.788 U7A.14@24.35,62.705 ; U7B.14@62.703,-24.35 U7B.14@62.788,-24.146 ; U7B.14@62.788,-24.147 62.896,-23.888 63.165,-23.777 ; 63.166,-23.776 cw(c63.223,-23.917) 63.281,-23.776 63.454,-23.848 63.781,-23.713 63.874,-23.485 63.966,-23.262 64.059,-23.039 64.163,-22.789 64.49,-22.654 v1(66.569,-23.515)
  Bottom Layer w0.381: U1.2@1.2,54.05 1.2,53.3 1.5,53 2.25,53 2.75,53.5 ; C2.2@2.75,54.238 2.75,53.5 ; C3.2@4.75,53.476 4.726,53.5 2.75,53.5
  Bottom Layer w0.508: TP1.1@-3,53.5 -0.5,53.5 0.05,54.05 U1.2@1.2,54.05